# Altium PCB Nixie Board V2.0.PcbDoc
Units mm, origin at the board's own origin, x right, y up, seen from the top; angles counter-clockwise.
Board outline 103.25 x 100.25 mm, 2 copper layers (Top Layer, Bottom Layer); 89 components, 106 nets, 412 pads, 54 vias.
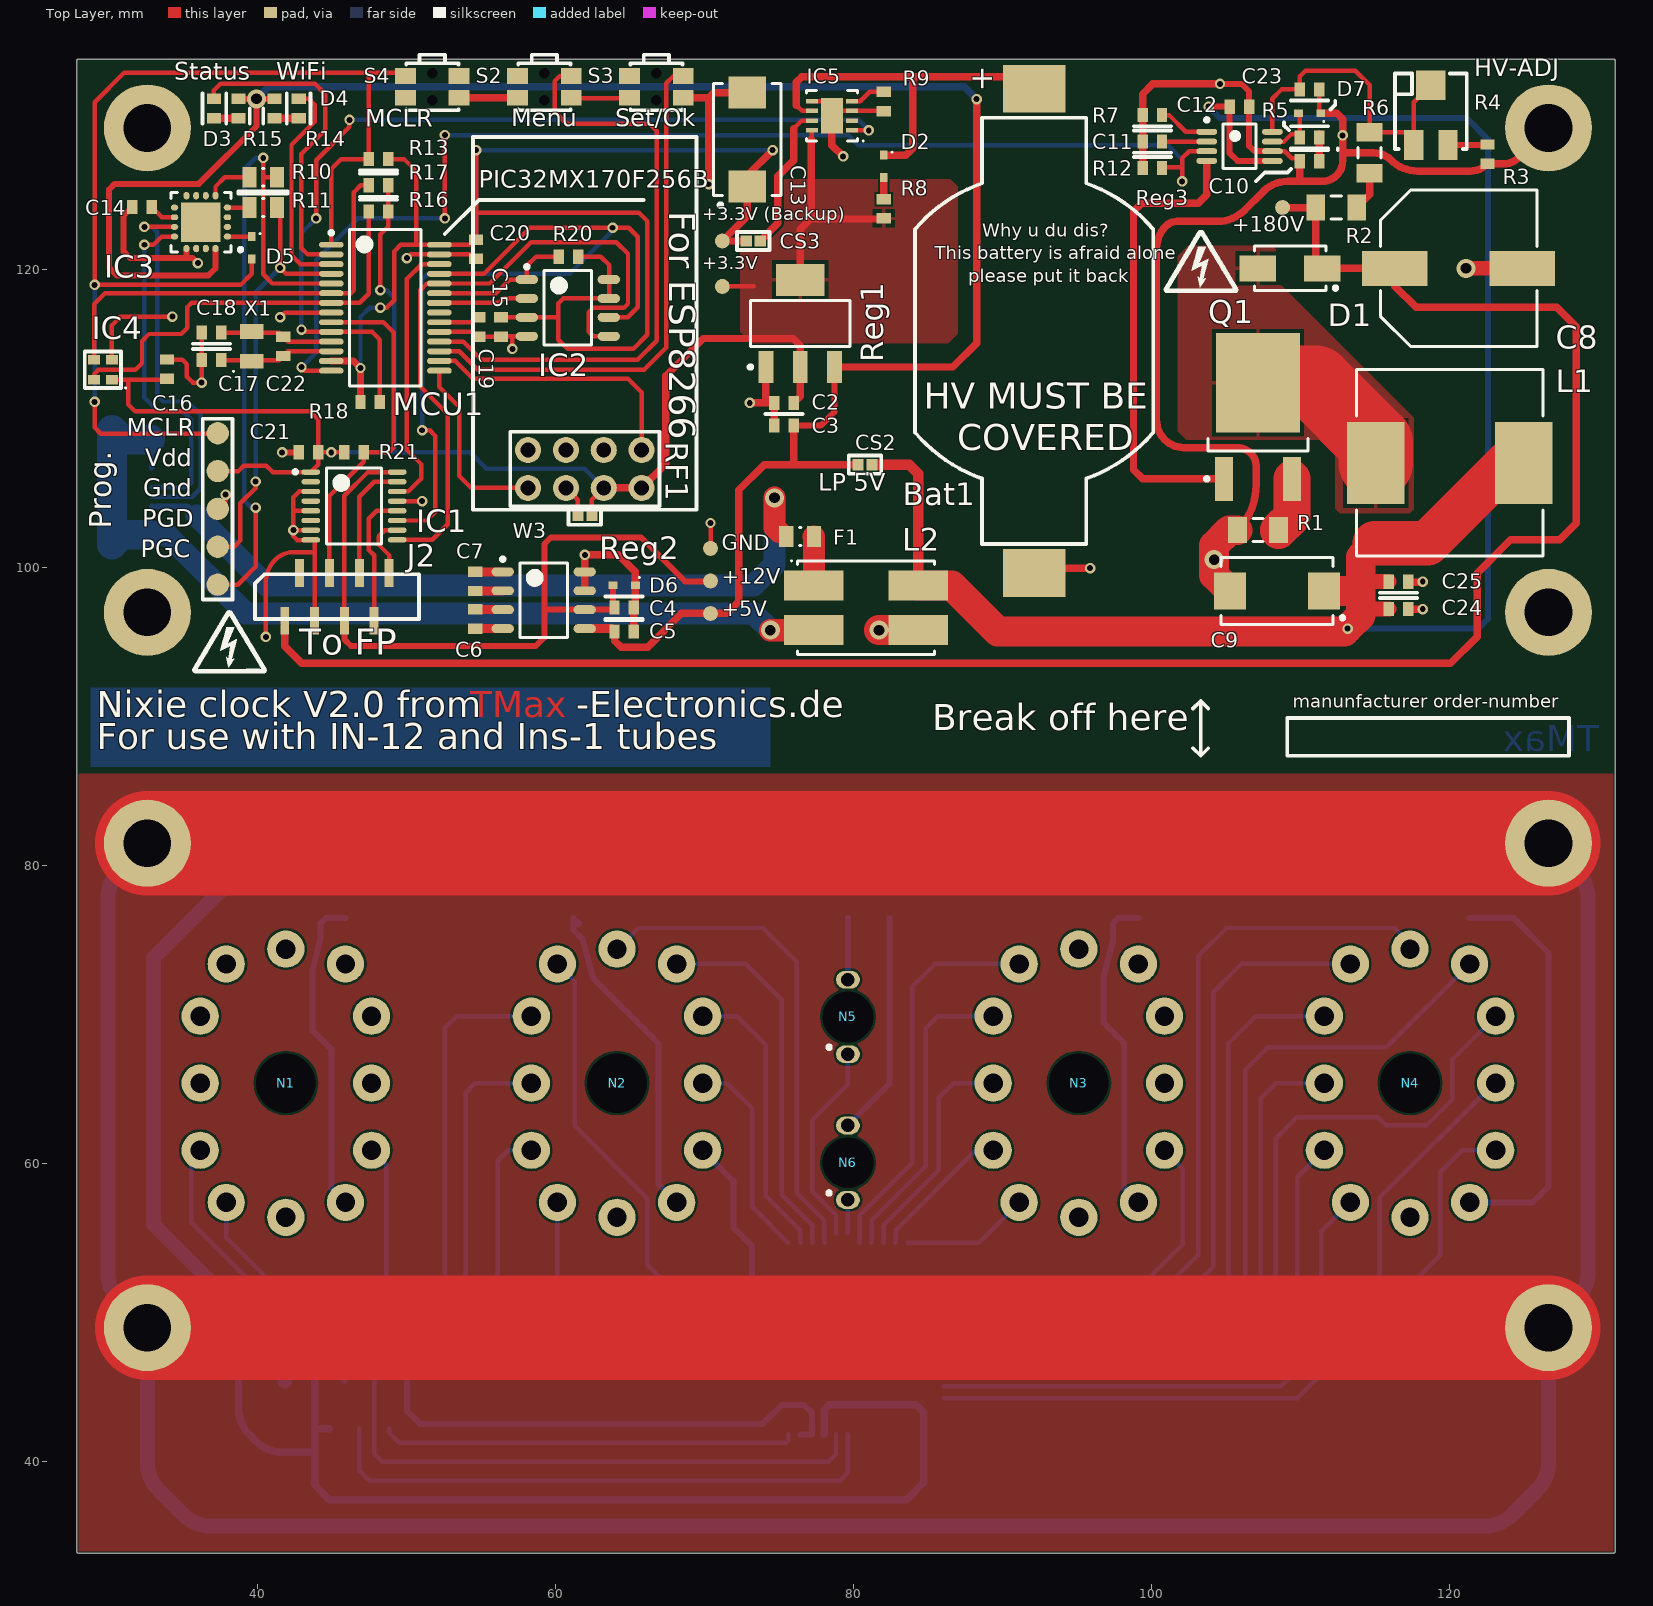
[diagram p0: Top Layer view]
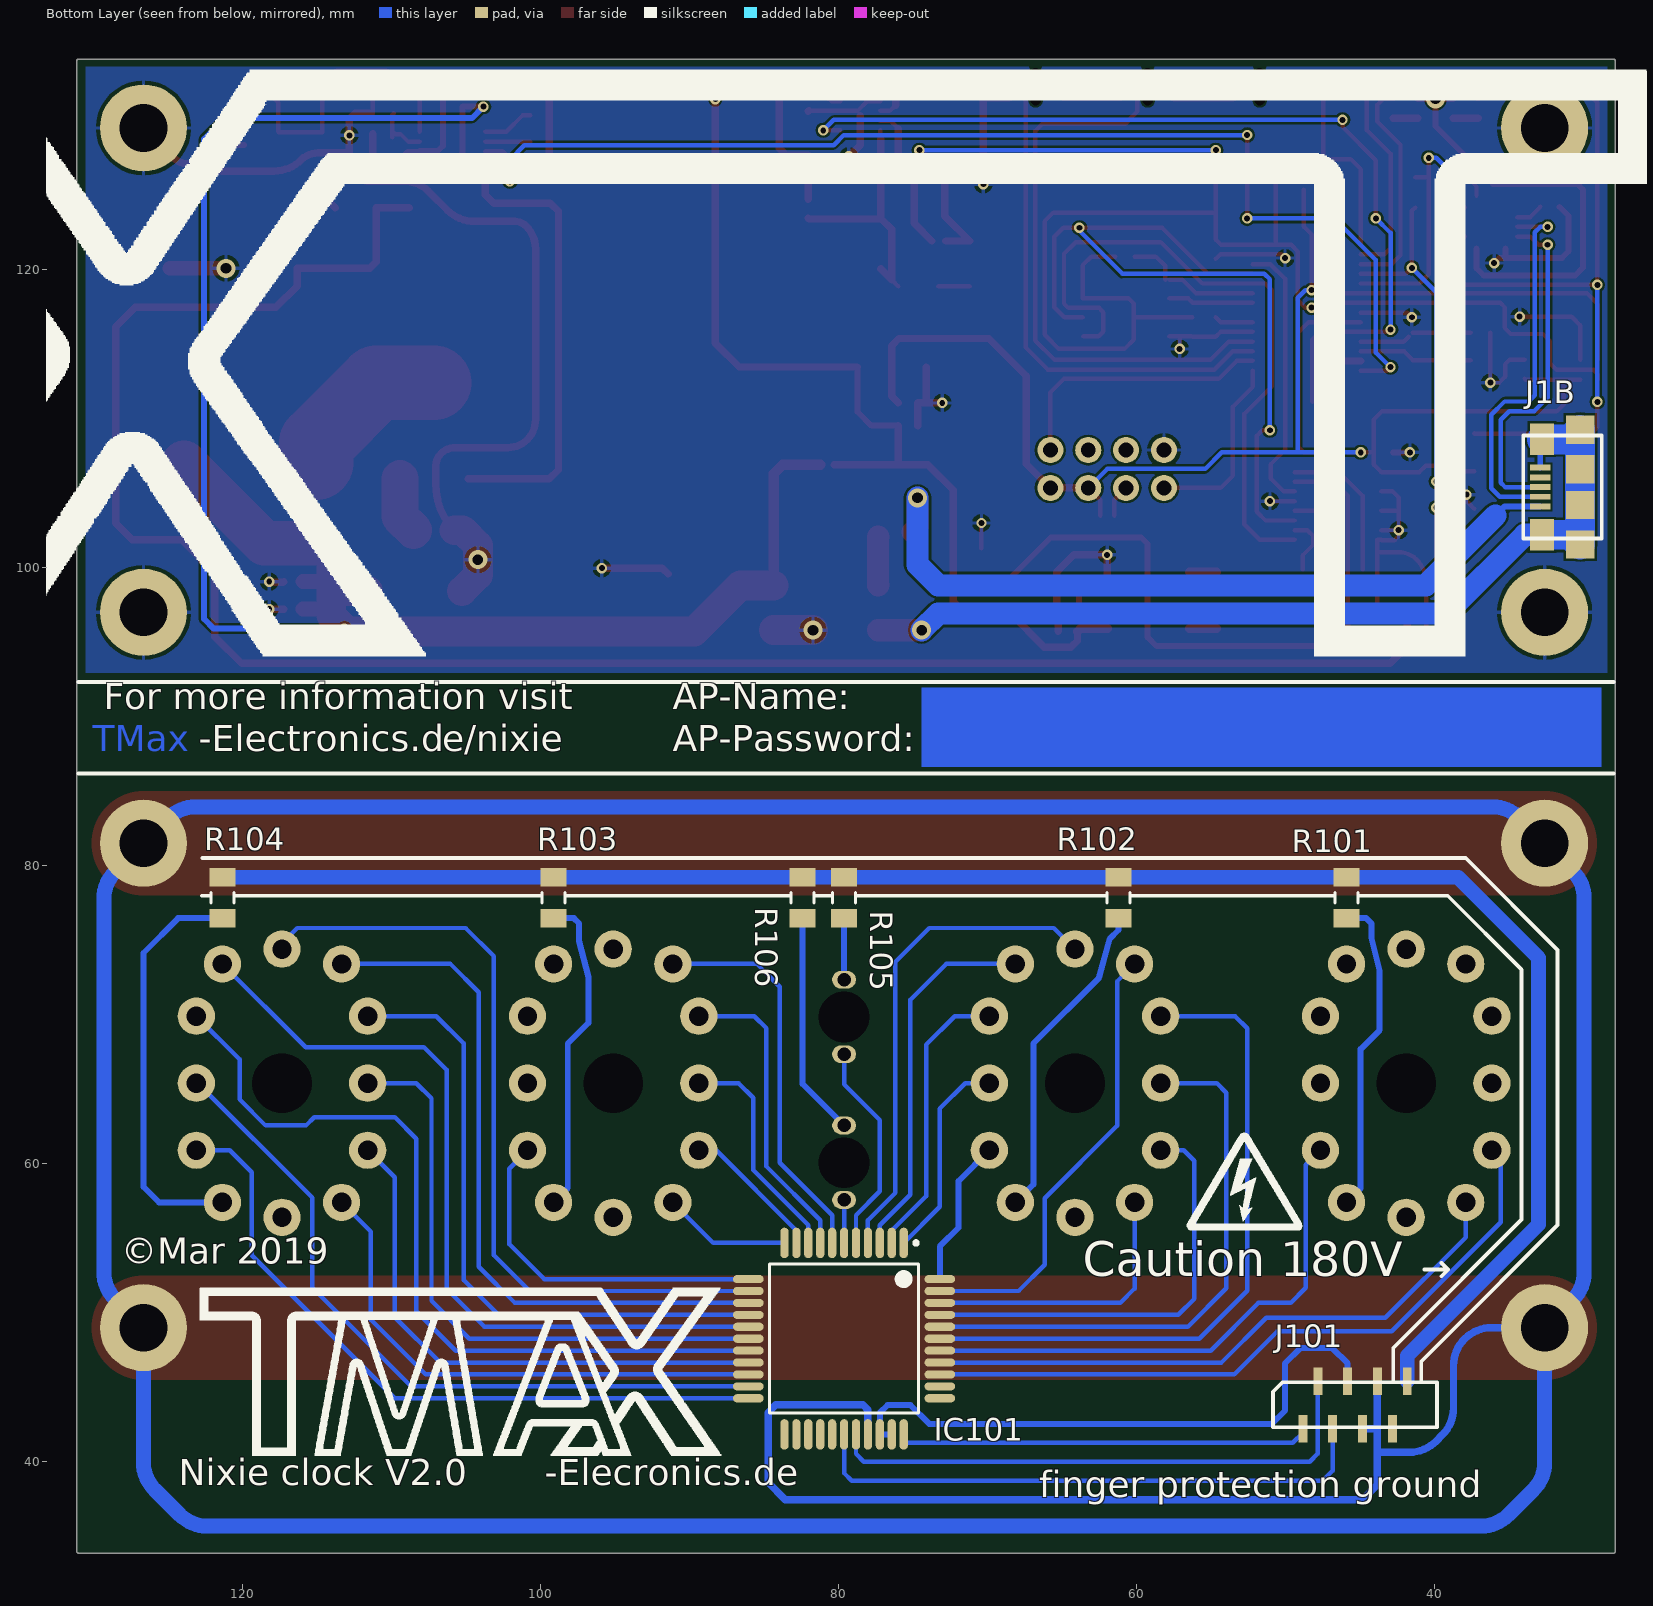
[diagram p1: Bottom Layer view, seen from below]
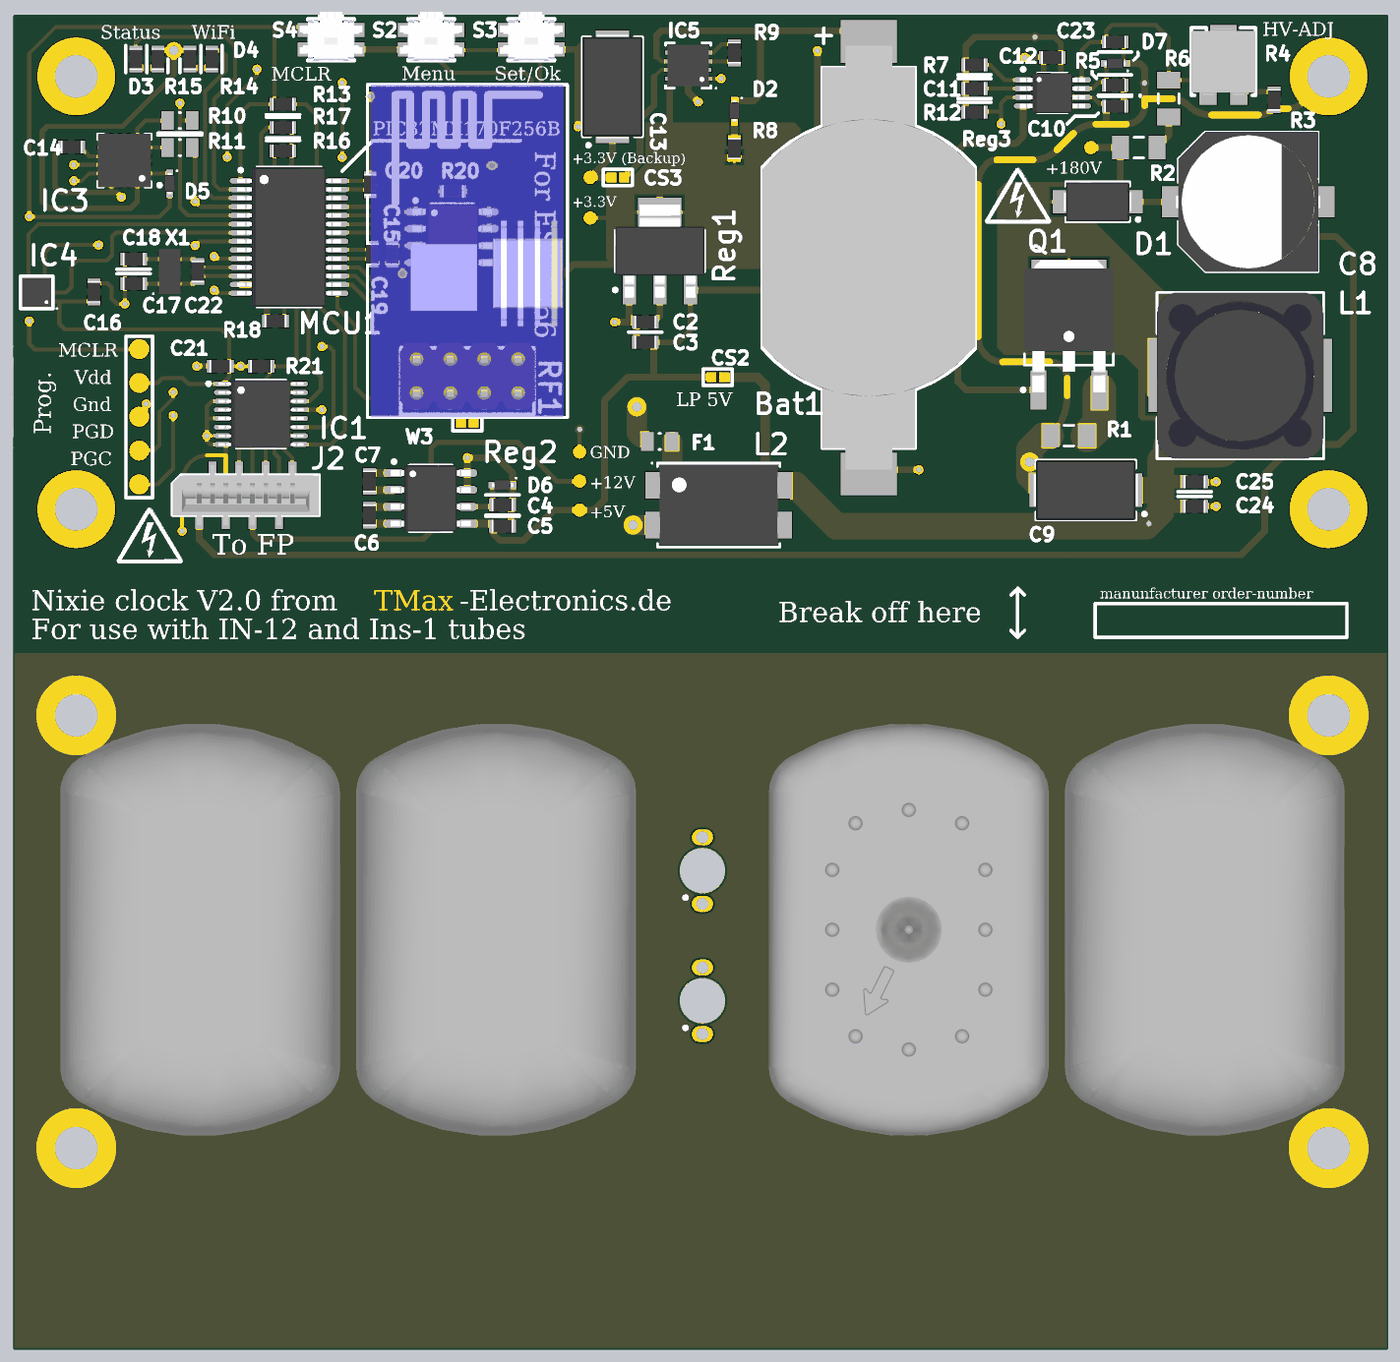
[diagram p2: 3D render of the assembled board from above, using the file's embedded part models]

## Layer stack, top to bottom
Top Solder: solder mask 0.0102, Solder Resist, Dk 3.5
Top Layer: signal copper 0.0356
Dielectric 1: dielectric 0.32, FR-4, Dk 4.8
Bottom Layer: signal copper 0.0356
Bottom Solder: solder mask 0.0102, Solder Resist, Dk 3.5

## Board outline
27.873,34 27.873,86 cw(c28,86) 27.873,86.001 27.873,92.509 27.873,134 cw(c28,134) 28,134.127 131,134.127 cw(c131,134) 131.127,134 131.127,93.409 cw(c131,93.409) 131.127,93.409 131.127,86 cw(c131,86) 131.127,85.999 131.127,34 cw(c131,34) 131,33.873 28,33.873 cw(c28,34)

## Design rules (kind name [scope] priority, off if disabled: settings)
Clearance [All] p1: gap=0.152 ignorepadtopadclearanceinfootprint=FALSE except(0: Arc-Hole Track-Hole SMDPad-Hole THPad-Hole Via-Hole Fill-Hole Poly-Hole Region-Hole Text-Hole)
Height [All] p1: minheight=0 maxheight=50 prefheight=12.7
HoleSize [All] p1: absolutevalues=TRUE maxlimit=5 minlimit=0.025 maxpercent=80.000 minpercent=20.000
MinimumSolderMaskSliver [All] p1: minsoldermaskwidth=0
PolygonConnect [All] p1: connectstyle=Relief reliefconductorwidth=0.254 reliefentries=4 polygonreliefangle="90 Angle" airgapwidth=0.254
RoutingVias [All] p1: holewidth=0.711 width=1.27 viastyle="Through Hole" minholewidth=0.711 minwidth=1.27 maxholewidth=0.711 maxwidth=1.27
SolderMaskExpansion [All] p1: expansion=0.076
UnRoutedNet [All] p1: checkbadconnections=TRUE
Width [All] p1: maxlimit=10 minlimit=0.152 preferedwidth=0.5 minimp=50.000000 maximp=50.000000 favimp=50.000000
26 further rules are at their usual default settings.

## Classes and differential pairs
component class "Power Supplies": Bat1 C2 C3 C4 C5 C6 C7 C8 C9 C10 C11 C12 C13 C23 C24 C25 CS2 CS3 D1 D2 D6 D7 F1 IC5 J1B L1 L2 Q1 R1 R2 R3 R4 R5 R6 R7 R8 R9 R18 Reg1 Reg2 Reg3
component class "Controller Board": C14 C15 C16 C17 C18 C19 C20 C21 C22 D3 D4 D5 IC1 IC2 IC3 IC4 J2 MCU1 R10 R11 R12 R13 R14 R15 R16 R17 R20 R21 RF1 S2 S3 S4 W3 X1
component class "Nixie Board": IC101 J101 N1 N2 N3 N4 N5 N6 R101 R102 R103 R104 R105 R106

## Components (designator, comment, footprint, x,y, rotation, side; value= is the part's Value field where it differs from the comment)
Bat1 "CR2032" BU2032SM 92.123,115.89 r90 top
C2 "10uF" 0603#1 75.33,111.056 r180 top locked
C3 "1uF" 0603#1 75.33,109.532 r180 top locked
C4 "4.7uF" 0603#1 64.616,97.316 r0 top locked
C5 "1uF" 0603#1 64.616,95.716 r0 top locked
C6 "220nF" 0603#1 54.616,96.546 r90 top locked
C7 "220nF" 0603#1 54.616,99.086 r90 top locked
C8 "8.2uF 400V" "10x10 SMD Electrolytic" 120.607,120.089 r0 top
C9 "220uF" "2917 Tantalum" 108.417,98.436 r180 top
C10 "220nF" 0603#1 110.61,127.27 r180 top
C11 "1nF" 0603#1 100.054,128.595 r180 top
C12 "100nF" 0603#1 105.896,130.934 r0 top
C13 "220uF" "2917 Tantalum" 72.874,128.733 r90 top locked
C14 "10uF" 0603#1 32.258,124.206 r180 top locked
C15 "100nF" 0603#1 56.337,116.154 r270 top locked
C16 "100nF" 0603#1 33.941,113.317 r90 top
C17 "9pF" 0603#1 36.916,113.93 r180 top
C18 "9pF" 0603#1 36.916,115.78 r180 top
C19 "10uF" 0603#1 54.839,116.154 r270 top locked
C20 "100nF" 0603#1 54.682,121.367 r270 top locked
C21 "100nF" 0603#1 43.434,107.74 r180 top locked
C22 "1.3pF" 0603#1 41.738,114.855 r90 top
C23 "10nF" 0603#1 110.61,132.09 r0 top
C24 "100nF" 0603#1 116.584,97.217 r0 top
C25 "1uF" 0603#1 116.584,99.06 r0 top
CS2 "LP 5V" "Solder Jumper"#1 80.772,106.91 r180 top
CS3 "3V3_Backup" "Solder Jumper"#1 73.276,121.92 r180 top
D1 "Diode 11DQ03" DO-214 109.297,120.089 r180 top
D2 "Diode" SOD523#1 82.029,126.928 r270 top locked
D3 "LED" 0603#1 37.085,130.81 r90 top locked
D4 "LED" 0603#1 42.781,130.81 r90 top locked
D5 "Diode" SOD523#2 39.624,121.465 r270 top locked
D6 "13.8V" SOD523#2 64.616,98.806 r180 top locked
D7 "2.5V Zener" SOD523#2 110.61,130.48 r180 top
F1 "500mA Polyfuse" 0805 76.418,102.083 r0 top
IC1 "MC14504B" TSSOP16 46.482,104.14 r0 top locked
IC2 "W25X40CL" SOIC8 60.833,117.43 r0 top locked
IC3 "MCP2221A-I/SL" "QFN16 4x4" 36.216,123.19 r180 top locked
IC4 "‎LTR-329ALS" 4DFN 29.638,113.284 r180 top
IC5 "TPS2115" "VSON 3.1x3.1" 78.556,130.322 r180 top locked
IC101 "HV5122" PQFP44 79.629,48.26 r270 bottom locked
J1B "USB Micro right angle" "USB 2.0 Type b micro" 30.238,105.41 r90 bottom
J2 "To FP" "Molex 0528080871" 45.339,98.044 r180 top locked
J101 "To BP" "Molex 0528080871" 45.339,43.815 r180 bottom
L1 "100uH" "DR127 Eaton" 120.015,107.035 r180 top
L2 "Common mode filter" "SON127P600 4 POS (8.50mm x 5.60mm)" 80.848,97.307 r0 top
MCU1 "PIC32MX170F256B" TSSOP28_Wide 48.586,117.445 r0 top locked
N1 "IN-12A" "IN12-A Nixie" 41.91,65.405 r180 top
N2 "IN-12A" "IN12-A Nixie" 64.135,65.405 r180 top
N3 "IN-12A" "IN12-A Nixie" 95.123,65.405 r180 top
N4 "IN-12A" "IN12-A Nixie" 117.348,65.405 r180 top
N5 "INS-1" INS-1 79.629,69.85 r270 top
N6 "INS-1" INS-1 79.629,60.071 r270 top
Q1 "MOSFET-N" TO252 107.147,110.109 r90 top
R1 "1Ohm" 1206 107.147,102.515 r180 top
R2 "470k" 1206 112.387,124.165 r0 top
R3 "5.6k" 0603#1 122.555,127.745 r270 top
R4 "Trimmer" "SM-42 Trimmer" 118.745,130.373 r180 top
R5 "10ohm" 0603#1 110.61,128.87 r0 top
R6 "470k" 1206 114.637,127.845 r90 top
R7 "15kOhm" 0603#1 100.054,130.373 r180 top
R8 "330Ohm" 0603#2 82.029,124.086 r90 top locked
R9 "5.6k" 0603#1 82.029,131.281 r270 top locked
R10 "330Ohm" 0805 40.386,126.197 r0 top locked
R11 "330Ohm" 0805 40.386,124.165 r180 top locked
R12 "10kOhm" 0603#1 100.054,126.817 r0 top
R13 "10kOhm" 0603#1 48.133,127.422 r0 top
R14 "330Ohm" 0603#1 41.145,130.81 r90 top locked
R15 "330Ohm" 0603#1 38.736,130.81 r270 top locked
R16 "10kOhm" 0603#1 48.133,123.912 r180 top
R17 "10kOhm" 0603#1 48.133,125.667 r180 top
R18 "5.6k" 0603#1 47.57,111.125 r0 top locked
R20 "10kOhm" 0603#1 60.884,120.869 r0 top
R21 "10kOhm" 0603#1 46.482,107.74 r180 top locked
R101 "15kOhm" 1206 45.91,77.851 r270 bottom
R102 "15kOhm" 1206 61.216,77.851 r270 bottom
R103 "15kOhm" 1206 99.123,77.851 r270 bottom
R104 "15kOhm" 1206 121.348,77.851 r270 bottom
R105 "270kOhm" 1206 79.629,77.851 r270 bottom locked
R106 "270kOhm" 1206 82.423,77.851 r270 bottom locked
Reg1 "3.3V" SOT223 76.429,116.39 r90 top locked
Reg2 "ST662A" SOIC8 59.216,97.816 r0 top locked
Reg3 "BD9306" MSOP8 105.91,128.27 r0 top
RF1 "WiFi module" "EPS8266 Module" 61.976,103.891 r270 top locked
S2 "Menu" EVQP7XXX 59.259,132.267 r180 top locked
S3 "Set/Ok" EVQP7XXX 66.78,132.267 r180 top locked
S4 "MCLR" EVQP7XXX 51.738,132.267 r180 top locked
W3 "Jumper" "Solder Jumper"#2 61.976,103.496 r180 top
X1 "32.768KHz" "2-SMD, Quartz" 39.624,114.855 r90 top

## Footprints (in the part's own frame and the unit in brackets; to place one, negate y for a bottom-side part, rotate by r counter-clockwise, add the part's x,y. Pads: shape width x height; smd on the part's side, far side on the other; paste and mask are expansions set on the pad)
"2-SMD, Quartz" [mm] "DFN, 2-Leads, Body 1.50x3.20mm, Pitch 2.00mm, IPC Medium Density, Tuning for crystal"
  rect 1x1.6 smd: 1(-1,0) 2(1,0)
  silkscreen extent -1.72,1.18 -1.63,1.27, body extent -1.68,-0.82 1.68,0.82, height 0.9
4DFN [mm] "SON, 4-Leads, Body 2.00x2.00mm, Pitch 1.35mm, IPC Low Density"
  rect 0.8x0.65 smd: 1(-0.6,0.675) 2(-0.6,-0.675) 3(0.6,-0.675) 4(0.6,0.675)
  silkscreen extent -1.57,-1.22 1.22,1.27, body extent -1.1,-1.1 1.1,1.1, height 0.9
"10x10 SMD Electrolytic" [mm] "Aluminum Electrolytic Capacitor, Body 10.30x10.30x11.00mm, IPC Low Density"
  rect 4.4x2.35 smd: 1(-4.275,0) 2(4.275,0)
  silkscreen extent -5.25,-5.25 5.25,5.25, body extent -5.43,-5.25 5.43,5.25, height 11
0603#1 [mm] "Chip Resistor, 2-Leads, Body 1.55x0.85mm, IPC Medium Density"
  rect 0.7x0.95 smd: 1(-0.65,0) 2(0.65,0)
  body extent -0.8,-0.48 0.8,0.48, height 0.55
0603#2 [mm] "Chip Resistor, 2-Leads, Body 1.55x0.85mm, IPC Medium Density"
  rect 0.7x0.95 smd paste-10: 1(-0.65,0) 2(0.65,0)
  body extent -0.8,-0.48 0.8,0.48, height 0.55
0805 [mm] "Chip Resistor, 2-Leads, Body 2.00x1.25mm, IPC Medium Density"
  rect 0.95x1.4 smd: 1(-0.925,0) 2(0.925,0)
  silkscreen extent -0.05,-0.6 0.05,0.6, body extent -1.05,-0.7 1.05,0.7, height 0.55
1206 [mm] "Chip Resistor, 2-Leads, Body 3.15x1.60mm, IPC Medium Density"
  rect 1.25x1.75 smd: 1(-1.375,0) 2(1.375,0)
  silkscreen extent -0.35,-0.77 0.35,0.77, body extent -1.65,-0.87 1.65,0.87, height 0.65
"2917 Tantalum" [mm] "Molded Capacitor, 2-Leads, Body 7.30x4.30mm, IPC Medium Density"
  rect 2.15x2.5 smd: 1(-3.15,0) 2(3.15,0)
  silkscreen extent -4.52,-2.25 3.75,2.25, body extent -3.97,-2.25 3.97,2.25, height 3.1
BU2032SM [mm] "CR2032 Battery holder"
  rect 3.2x4.2 smd: 1(-16.25,0) 2(16.25,0)
  silkscreen extent -14.3,-8 14.3,8, body extent -15.93,-8 15.93,8, height 5.2
DO-214 [mm] "Molded Diode, 2-Leads, Body 4.38x2.73mm, IPC Medium Density"
  rect 2.45x1.75 smd: 1(-2.15,0) 2(2.15,0)
  silkscreen extent -3.17,-1.5 2.4,1.5, body extent -2.6,-1.48 2.6,1.48, height 2.2
"DR127 Eaton" [mm] "Precision Wire Wound Inductor, 2-Leads, Body 12.50x12.50mm, IPC Medium Density"
  rect 3.85x5.5 smd: 1(-4.975,0) 2(4.975,0)
  silkscreen extent -6.25,-6.25 6.25,6.25, body extent -6.25,-6.25 6.25,6.25, height 8
"EPS8266 Module" [mm]
  round 1.75 hole 1: 1(-4,-3.81) 2(-1.46,-3.81) 3(-4,-1.27) 4(-1.46,-1.27) 5(-4,1.27) 6(-1.46,1.27) 7(-4,3.81) 8(-1.46,3.81)
  silkscreen extent -25,-7.5 0,7.5, body extent -25,-7.25 0,7.25, height 5.87
EVQP7XXX [mm] "SMD Switch Panasonic"
  rect 1.4x1.05 smd: 1(-1.8,0.725) 1(1.8,0.725) 2(-1.8,-0.725) 2(1.8,-0.725)
  round 0 hole 0.7: 12(0,0.9) 13(0,-0.9)
  silkscreen extent -1.75,-2.16 1.75,1.57, body extent -2.35,-2.1 2.35,1.59, height 1.5
"IN12-A Nixie" [mm] "??12-A (IN12-A) Nixie numerical 0-9"
  round 2.5 hole 1.3: 1(-4,8) 2(-5.75,4.5) 3(-5.75,0) 4(-5.75,-4.5) 5(-4,-8) 6(0,-9) 7(4,-8) 8(5.75,-4.5) 9(5.75,0) 10(5.75,4.5) 11(4,8) 12(0,9)
  round 0 hole 4 unplated: 48(0,0)
  body extent -10.5,-15.5 10.5,15.5, height 31.5
INS-1 [mm] "Neon dot"
  round 1.524 hole 3.4: 3(0,0)
  oval 1.2x1.6 hole 0.9: A(-2.5,0) K(2.5,0)
  silkscreen extent 1.91,-1.39 2.16,-1.14, body extent -3.5,-3.5 3.5,3.5, height 28
"Molex 0528080871" [mm]
  rect 0.6x1.85 smd: 1(3.5,1.6) 2(2.5,-1.6) 3(1.5,1.6) 4(0.5,-1.6) 5(-0.5,1.6) 6(-1.5,-1.6) 7(-2.5,1.6) 8(-3.5,-1.6)
  body extent -5.5,-2.25 5.5,2.25, height 5.05
MSOP8 [mm] "TSOP, 8-Leads, Body 3.00x3.00mm, Pitch 0.65mm, IPC Medium Density"
  oval 1.4x0.4 smd: 1(-2.2,0.975) 2(-2.2,0.325) 3(-2.2,-0.325) 4(-2.2,-0.975) 5(2.2,-0.975) 6(2.2,-0.325) 7(2.2,0.325) 8(2.2,0.975)
  silkscreen extent -2.32,-1.5 1.1,1.9, body extent -2.45,-1.5 2.45,1.5, height 1.1
PQFP44 [mm] "QFP, 44-Leads, Body 10.00x10.00mm, Pitch 0.80mm, IPC Medium Density"
  oval 2.05x0.55 smd: 1(-6.425,4) 2(-6.425,3.2) 3(-6.425,2.4) 4(-6.425,1.6) 5(-6.425,0.8) 6(-6.425,0) 7(-6.425,-0.8) 8(-6.425,-1.6) 9(-6.425,-2.4) 10(-6.425,-3.2) 11(-6.425,-4) 23(6.425,-4) 24(6.425,-3.2) 25(6.425,-2.4) 26(6.425,-1.6) 27(6.425,-0.8) 28(6.425,0) 29(6.425,0.8) 30(6.425,1.6) 31(6.425,2.4) 32(6.425,3.2) 33(6.425,4)
  oval 0.55x2.05 smd: 12(-4,-6.425) 13(-3.2,-6.425) 14(-2.4,-6.425) 15(-1.6,-6.425) 16(-0.8,-6.425) 17(0,-6.425) 18(0.8,-6.425) 19(1.6,-6.425) 20(2.4,-6.425) 21(3.2,-6.425) 22(4,-6.425) 34(4,6.425) 35(3.2,6.425) 36(2.4,6.425) 37(1.6,6.425) 38(0.8,6.425) 39(0,6.425) 40(-0.8,6.425) 41(-1.6,6.425) 42(-2.4,6.425) 43(-3.2,6.425) 44(-4,6.425)
  silkscreen extent -6.55,-5 5,5, body extent -6.95,-6.95 6.95,6.95, height 2.35
"QFN16 4x4" [mm] "PQFN, 16-Leads, Body 4.00x4.00mm, Pitch 0.65mm, Thermal Pad 2.65x2.65mm, IPC Medium Density, Microchip"
  oval 0.5x0.4 smd: 1(-1.775,0.975) 2(-1.775,0.325) 3(-1.775,-0.325) 4(-1.775,-0.975) 9(1.775,-0.975) 10(1.775,-0.325) 11(1.775,0.325) 12(1.775,0.975)
  oval 0.4x0.5 smd: 5(-0.975,-1.775) 6(-0.325,-1.775) 7(0.325,-1.775) 8(0.975,-1.775) 13(0.975,1.775) 14(0.325,1.775) 15(-0.325,1.775) 16(-0.975,1.775)
  rect 2.65x2.65 smd: 17(0,0)
  silkscreen extent -2.78,-2 2,2, body extent -2,-2 2,2, height 1
"SM-42 Trimmer" [mm]
  rect 1.3x2 smd: 1(-1.15,2) 2(1.15,2)
  rect 2x2 smd: 3(0,-2)
  silkscreen extent -2.41,-2.79 2.41,2.29, body extent -2.4,-2.74 2.4,2.26, height 3.7
SOD523#1 [mm] "SODFL, 2-Leads, Body 0.80x1.60mm, IPC Medium Density"
  rect 0.6x0.5 smd paste-10: 1(-0.75,0) 2(0.75,0)
  silkscreen extent -1,0.5 -0.9,0.6, body extent -0.8,-0.43 0.8,0.43, height 0.7
SOD523#2 [mm] "SODFL, 2-Leads, Body 0.80x1.60mm, IPC Medium Density"
  rect 0.6x0.5 smd: 1(-0.75,0) 2(0.75,0)
  silkscreen extent -1,0.5 -0.9,0.6, body extent -0.8,-0.43 0.8,0.43, height 0.7
SOIC8 [mm] "SOIC, 8-Leads, Body 4.90x3.90mm, Pitch 1.27mm, IPC Medium Density"
  oval 1.5x0.6 smd: 1(-2.75,1.905) 2(-2.75,0.635) 3(-2.75,-0.635) 4(-2.75,-1.905) 5(2.75,-1.905) 6(2.75,-0.635) 7(2.75,0.635) 8(2.75,1.905)
  silkscreen extent -2.87,-2.5 1.6,2.88, body extent -3,-2.5 3,2.5, height 1.75
"Solder Jumper"#1 [mm]
  rect 0.75x0.75 smd paste-10: 1(-0.47,0) 2(0.47,0)
  silkscreen extent -1.09,-0.61 1.09,0.61, body extent -0.31,-0.3 0.29,0.3, height 0.3
"Solder Jumper"#2 [mm]
  rect 0.75x0.75 smd paste-10 mask+0.1: 1(-0.47,0) 2(0.47,0)
  silkscreen extent -1.09,-0.61 1.09,0.61, body extent -0.31,-0.3 0.29,0.3, height 0.3
"SON127P600 4 POS (8.50mm x 5.60mm)" [mm] "SON, 4-Leads, Body 5.60x8.50mm, Pitch 3.00mm, IPC High Density, Würth Choke"
  rect 4x2 smd: 1(-3.5,1.5) 2(-3.5,-1.5) 3(3.5,-1.5) 4(3.5,1.5)
  silkscreen extent -5.05,-3.15 4.6,3.2, body extent -4.45,-3 4.45,3, height 3.2
SOT223 [mm] "SOT223, 4-Leads, Body 6.50x7.00mm (avg), Pitch 2.30mm, IPC Medium Density"
  rect 2.15x1 smd: 1(-2.925,2.3) 2(-2.925,0) 3(-2.925,-2.3)
  rect 2.15x3.25 smd: 2(2.925,0)
  silkscreen extent -3.05,-3.35 1.55,3.47, body extent -3.5,-3.35 3.5,3.35, height 1.8
TO252 [mm] "D-PAK, 3-Pads, Body 6.21x6.72mm (max), IPC Medium Density"
  rect 2.95x1.2 smd: 1(-4.15,2.29) 3(-4.15,-2.29)
  rect 6.7x5.65 smd: 2(2.3,0)
  silkscreen extent -4.27,-3.35 -1.45,3.56, body extent -4.34,-3.35 5.6,3.35, height 2.4
TSSOP16 [mm] "TSOP, 16-Leads, Body 5.00x4.40mm, Pitch 0.65mm, IPC Medium Density"
  oval 1.26x0.36 smd: 1(-2.9,2.275) 2(-2.9,1.625) 3(-2.9,0.975) 4(-2.9,0.325) 5(-2.9,-0.325) 6(-2.9,-0.975) 7(-2.9,-1.625) 8(-2.9,-2.275) 9(2.9,-2.275) 10(2.9,-1.625) 11(2.9,-0.975) 12(2.9,-0.325) 13(2.9,0.325) 14(2.9,0.975) 15(2.9,1.625) 16(2.9,2.275)
  silkscreen extent -4.06,-2.55 1.85,2.55, body extent -3.2,-2.55 3.2,2.55, height 1.2
TSSOP28_Wide [mm] "TSSOP, 28-Leads, Body 10.20x5.30mm, Pitch 0.65mm, Microchip"
  oval 1.65x0.4 smd: 1(-3.625,4.225) 2(-3.625,3.575) 3(-3.625,2.925) 4(-3.625,2.275) 5(-3.625,1.625) 6(-3.625,0.975) 7(-3.625,0.325) 8(-3.625,-0.325) 9(-3.625,-0.975) 10(-3.625,-1.625) 11(-3.625,-2.275) 12(-3.625,-2.925) 13(-3.625,-3.575) 14(-3.625,-4.225) 15(3.625,-4.225) 16(3.625,-3.575) 17(3.625,-2.925) 18(3.625,-2.275) 19(3.625,-1.625) 20(3.625,-0.975) 21(3.625,-0.325) 22(3.625,0.325) 23(3.625,0.975) 24(3.625,1.625) 25(3.625,2.275) 26(3.625,2.925) 27(3.625,3.575) 28(3.625,4.225)
  silkscreen extent -3.75,-5.25 2.4,5.25, body extent -3.9,-5.25 3.9,5.25, height 2
"USB 2.0 Type b micro" [mm]
  rect 0.4x1.35 smd: 1(-1.3,2.675) 2(-0.65,2.675) 3(0,2.675) 4(0.65,2.675) 5(1.3,2.675)
  rect 1.9x1.9 smd: 6(-3.85,0) 6(-1.2,0) 6(1.2,0) 6(3.85,0)
  rect 2.1x1.6 smd: 6(-3.2,2.55) 6(3.2,2.55)
  silkscreen extent -3.45,-1.45 3.45,3.81, body extent -4.04,-2.43 4.04,3.18, height 2.78
"VSON 3.1x3.1" [mm] "SON, 8-Leads, Body 3.00x3.00mm, Pitch 0.65mm, Thermal Pad 2.40x1.49mm, IPC High Density, Texas Instruments"
  rect 0.8x0.3 smd: 1(-1.345,0.975) 2(-1.345,0.325) 3(-1.345,-0.325) 4(-1.345,-0.975) 5(1.345,-0.975) 6(1.345,-0.325) 7(1.345,0.325) 8(1.345,0.975)